# Altium PCB hv_controller.PcbDoc (part 2 of 3) (continued)
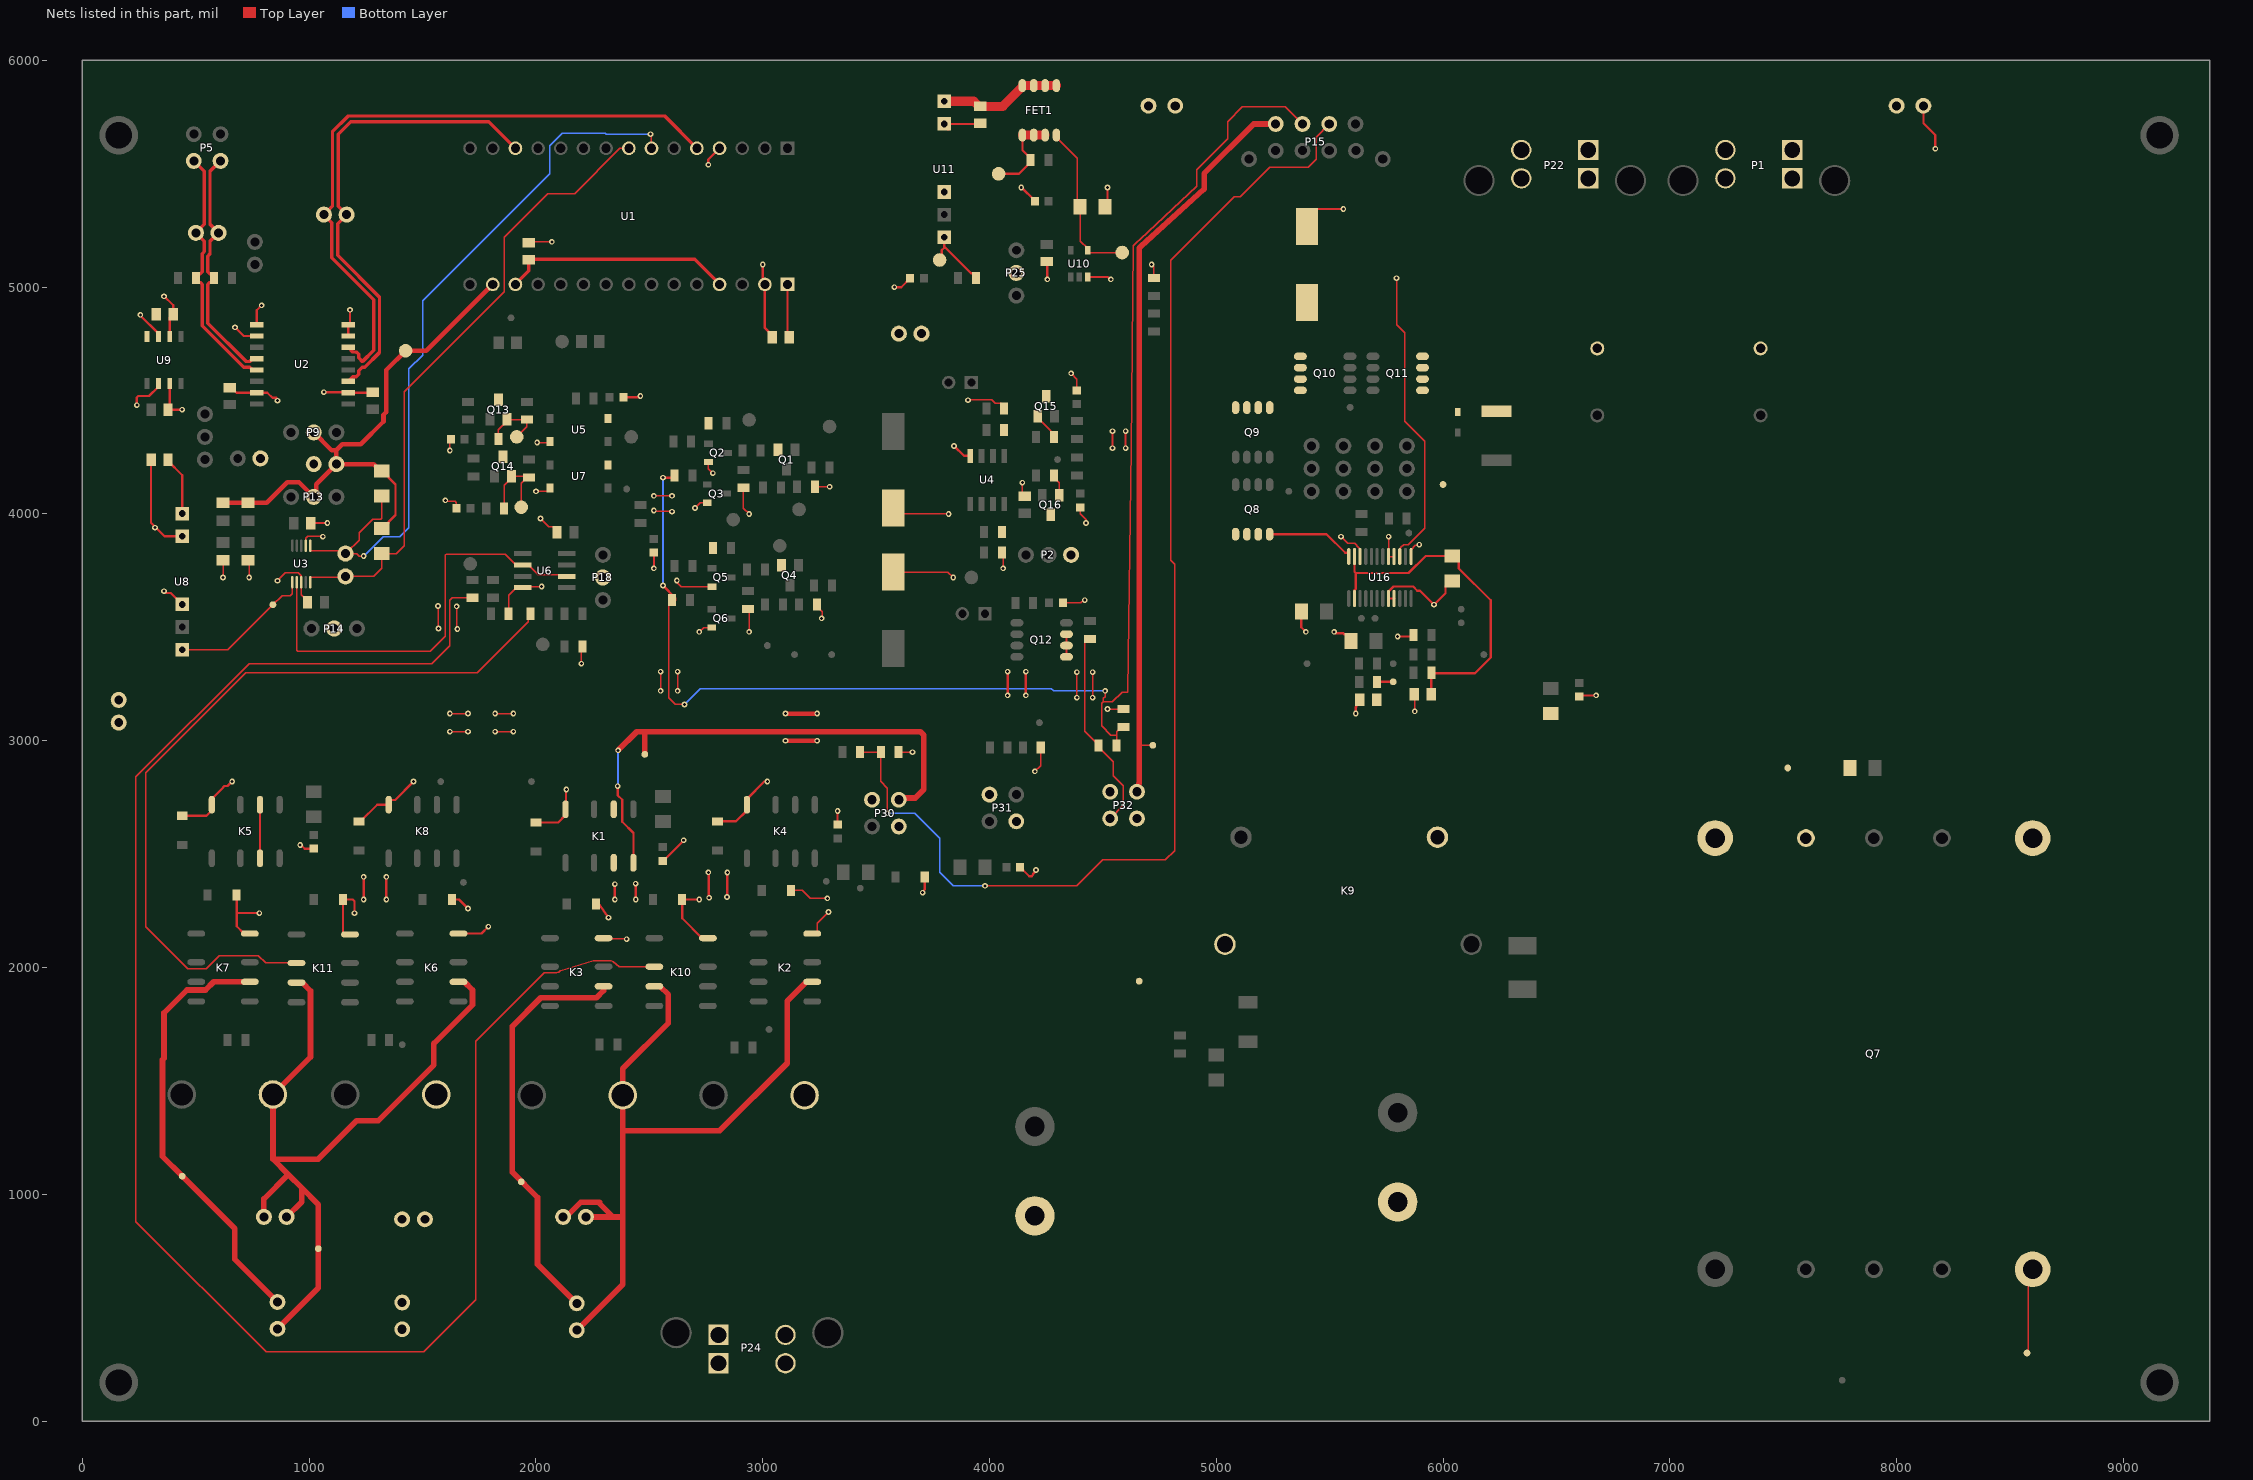
[diagram p2: the nets of this part, all layers, seen from the top]
## Part data (continued)
U16: library part CMP-008-000010-2, "Power Supply Support Circuit, Adjustable, 3 Channel, CMOS, PDSO24"

## Via types
v1: diameter 25, hole 13, Top Layer to Bottom Layer, 173 vias

## Nets (pads, with @x,y where several pads share a name; then routed paths per layer and width w, separated by ;. In a path a pad name is that pad's centre, name@x,y a point inside that pad or via, vN(x,y) a via of type N, cw(c..) or ccw(c..) an arc to the next point about the centre after c; other vN are vias at no path point)
12V_DCDC: C21.1 P4.1 Q7.9 Q7.10 Q8.5 Q8.6 Q8.7 Q8.8 R91.2 R94.1 R97.1 TP50.1 TP55.1 U16.24 | length 478
  Top Layer w10: Q8.8@5235,3910.75 5485.96,3910.75 5568.16,3828.55 5582.45,3828.55 5584.19,3826.81 U16.24@5584.19,3812.52 ; R97.1@5709.09,3260 TP55.1@5780,3260
  Top Layer w25: R97.1@5709.09,3251.14 R97.1@5709.09,3260
12V_RAW: C16.1 C19.1 C23.1 FET1.1 FET1.2 FET1.3 K1.3 K1.6 K5.3 K5.6 P2.3 P3.2 P22.B1 P22.B2 P25.2 P30.2 P31.2 P32.2 Q1.2 Q4.2 Q9.5 Q9.6 Q9.7 Q9.8 Q10.5 Q10.6 Q10.7 Q10.8 Q12.1 Q12.2 Q12.3 Q15.3 Q16.3 R3.1 R25.1 R35.2 R47.2 R55.2 TP25.1 U5.4 U7.4 U8.1 U9.8 U16.15 | length 2334.5
  Top Layer w6: v1(5795,5040) 5795,4835 5830,4800 5830,4410 5920,4320 5920,3937.59 5847.14,3864.73 5825.8,3864.73 5814.3,3853.24 5814.3,3850.25 5809.19,3845.14 U16.15@5809.19,3812.52
  Top Layer w10: C16.1@377.4,4240 377.4,4233.11 440,4170.51 U8.1@440,4001.5 ; K5.3@782.99,2481.89 K5.6@782.99,2718.11 ; TP25.1@4040,5500 4129.49,5500 4180.63,5551.14 R47.2@4180.63,5560 4180.63,5568.86 4145,5604.49 FET1.1@4145,5670.75 ; Q12.1@4339.37,3369.88 Q12.2@4339.37,3419.88 Q12.3@4339.37,3469.88
  Top Layer w40: FET1.1@4145,5670.75 FET1.2@4195,5670.75 FET1.3@4245,5670.75
12V_SUPPL: C20.1 D9.2 P1.A1 P1.A2 Q11.5 Q11.6 Q11.7 Q11.8 R34.2 R100.1 R102.2 TP60.1 U16.2 U16.23 | length 1553.1
  Top Layer w10: U16.2@5609.19,3627.48 5609.19,3664.67 5615.05,3670.53 5615.05,3739.9 ; U16.23@5609.19,3812.52 5609.19,3745.75 5615.05,3739.9 ; C20.1@5947.4,3205 5947.4,3297.13 5946.5,3298.03 6140.46,3298.03 6210,3367.57 6210,3619.09 6069.45,3759.64 6069.45,3791.57 6045.91,3815.12 R102.2@6040,3815.12 5923.26,3815.12 5848.04,3739.9 5615.05,3739.9
78_MC: Q13.2 R18.1 R24.2 TP8.1 | length 293.2
  Top Layer w6: R24.2@1834.37,4330.37 1834.37,4370.79 1872.4,4408.82 Q13.2@1872.4,4416.69 1873.46,4415.63 R18.1@1960,4415.63 1960,4385 TP8.1@1915,4340 ; R24.2@1844,4340 R24.2@1844,4348.86
78_MPPT: Q14.2 R29.1 R31.2 TP14.1 | length 392.9
  Top Layer w6: R31.2@1864.37,4030 R31.2@1859.37,4025 1859.37,4125.79 1892.4,4158.82 Q14.2@1892.4,4166.69 1963.94,4166.69 R29.1@1970,4160.63 1961.14,4160.63 1935,4134.49 TP14.1@1935,4030
BATTERY_REF: U3.7 U6.2 U6.6 | length 1920.8
  Top Layer w6: U3.7@945.31,3699.29 945.31,3398.2 948.83,3394.68 1534.68,3394.68 1600,3460 1600,3819.49 1603.51,3823 1865,3823 1913,3775 U6.2@1941,3775 1969,3775 2011,3733 2127,3733 U6.6@2135,3725
BOTH_PRC_DONE: FET1.4 R65.2 TP24.1 U10.4 | length 711
  Top Layer w6: FET1.4@4295.75,5660 4387,5568.75 4387,5367.88 R65.2@4399.88,5355 4399.88,5203.45 4432.4,5170.93 U10.4@4432.4,5163.06 4432.4,5161.81 4441.21,5153 TP24.1@4585,5153
CAN_N: "LV CAN.1" P5.4 R1.2 U2.12 | length 1094.2
  Top Layer w15: P5.4@609,5557 562.5,5510.5 562.5,5277.5 600,5240 562.5,5202.5 562.5,5146.99 552.81,5137.3 552.81,5067.86 561.6,5059.07 570.41,5059.07 580.63,5048.86 R1.2@580.63,5040 580.63,5031.14 570.41,5020.93 561.6,5020.93 552.81,5012.14 552.81,4841.08 721.4,4672.5 738.21,4672.5 750.71,4685 U2.12@768.43,4685
CAN_P: "LV CAN.2" P5.3 R4.2 U2.13 | length 1135.7
  Top Layer w15: P5.3@491,5557 537.5,5510.5 537.5,5277.5 500,5240 537.5,5202.5 537.5,5157.34 527.81,5147.66 527.81,5067.86 519.03,5059.07 510.22,5059.07 500,5048.86 R4.2@500,5040 500,5031.14 510.22,5020.93 519.03,5020.93 527.81,5012.14 527.81,4830.73 711.04,4647.5 738.21,4647.5 750.71,4635 U2.13@768.43,4635
COMM_N: "HV CAN.1" U1.3.5 U2.6 | length 2933.7
  Top Layer w15: U2.6@1171.57,4735 1192.26,4714.31 1208.35,4714.31 1218.6,4704.06 1218.6,4687.97 1234.07,4672.5 1235,4672.5 1285,4722.5 1285,4945 1100,5130 1100,5285 1065,5320 1102.5,5357.5 1102.5,5685.36 1172.14,5755 2566.97,5755 U1.3.5@2709.37,5612.6
COMM_P: "HV CAN.2" U1.3.13 U2.3 | length 2125.4
  Top Layer w15: U2.3@1171.57,4585 1192.26,4605.69 1208.35,4605.69 1218.6,4615.94 1218.6,4632.03 1234.07,4647.5 1245.36,4647.5 1310,4712.14 1310,4955.36 1125,5140.36 1125,5280 1165,5320 1127.5,5357.5 1127.5,5675 1182.5,5730 1791.97,5730 U1.3.13@1909.37,5612.6
DCDC_IN: C14.1 FET1.5 FET1.6 FET1.7 FET1.8 U11.1 | length 545.5
  Top Layer w40: U11.1@3800,5820 3930.51,5820 3953.11,5797.4 C14.1@3960,5797.4 4058.43,5797.4 4145,5883.98 FET1.8@4145,5889.25 FET1.7@4195,5889.25 FET1.6@4245,5889.25 FET1.5@4295,5889.25
G_MC: Q15.1 R16.1 | length 121.4
  Top Layer w6: Q15.1@4212.6,4431.69 4212.6,4423.82 4269.65,4366.76 4269.65,4354.72 R16.1@4284.37,4340
G_MPPT: Q16.1 R8.1 | length 96.2
  Top Layer w6: R8.1@4284.37,4170 4284.37,4161.14 4307.4,4138.11 Q16.1@4307.4,4083.31
HV-POS3.3V: 3V3.2 P9.2 P13.2 R9.2 R10.2 R11.2 R12.2 TP1.1 U1.4.14 | length 2487.1
  Top Layer w10: R11.2@1320,3935.12 1325.91,3935.12 1349.45,3958.66 1349.45,3964.57 1380,3995.12 1380,4130.12 1349.45,4160.67 1349.45,4166.57 1325.91,4190.12 R12.2@1320,4190.12
  Top Layer w20: R10.2@620,4049.37 R9.2@730,4049.37 812.21,4049.37 902.84,4140 955,4140 P13.2@1020,4075 1030.69,4085.69 1030.69,4130.69 3V3.2@1120,4220 ; P9.2@1020,4360 1098.39,4281.61 1120,4281.61 ; R12.2@1320,4190.12 1314.09,4190.12 1284.21,4220 3V3.2@1120,4220 ; U1.4.14@1809.37,5012.6 1516.77,4720 TP1.1@1425,4720 1340,4635 1340,4449.62 1327.56,4437.18 1327.56,4407.56 1227.07,4307.07 1145.46,4307.07 1120,4281.61 ; 3V3.2@1120,4220 1120,4281.61
HV-POS5V: C2.1 U1.4.4 U1.4.13 | length 1020
  Top Layer w15: U1.4.13@1909.37,5012.6 1968.39,5071.61 C2.1@1968.39,5121.61 ; C2.1@1968.39,5122.6 2699.37,5122.6 U1.4.4@2809.37,5012.6
HV_12V: "HV 12V.1" "HV 12V.2" C25.1 P14.2 P18.2 Q13.3 Q14.3 R66.2 TP26.1 U1.4.1 U11.7 | length 546.5
  Top Layer w6: C25.1@3109.37,4788.03 C25.1@3117.4,4780
  Top Layer w10: C25.1@3109.37,4788.03 U1.4.1@3109.37,5012.6 ; TP26.1@3780,5120 3789.57,5129.57 3789.57,5163.83 3800,5174.26 3800,5179.37 ; U11.7@3800,5220 3800,5179.37 ; R66.2@3939.37,5040 3939.37,5048.86 3926.65,5061.57 3917.8,5061.57 3800,5179.37
HV_GND: 3V3.1 "HV GND.1" "HV GND.2" C2.2 C3.2 C5.2 C6.2 C7.1 C17.2 C18.2 C25.2 HV_GND.1 HV_GND.2 LED2.2 LED4.2 LED8.2 P21.1 P21.2 P24.A1 P24.A2 Q7.5 R13.1 R14.1 R22.1 R33.1 R70.1 R78.1 TP13.1 U1.3.4 U1.4.2 U2.2 U2.7 U2.8 U3.2 U3.8 U5.2 U6.4 U7.2 U8.5 U11.5 | length 2910
  Top Layer w6: v1(620,3720) R14.1@620,3795.63 ; R13.1@730,3795.63 735,3790.63 v1(735,3720) ; v1(860,3705.5) 894.35,3739.85 952.74,3739.85 964.26,3728.32 964.26,3700.03 U3.8@965,3699.29 965,3644.49 992.6,3616.89 C6.2@992.6,3610 ; U3.2@984.69,3860.71 985.42,3861.44 985.42,3892.32 994.37,3901.27 1058.73,3901.27 v1(1060,3900) ; v1(1568.09,3594.54) 1569.05,3593.59 1569.05,3495.95 v1(1570,3495) ; v1(1600,4060) 1603.64,4056.36 1643.64,4056.36 1649.49,4050.51 LED4.2@1649.49,4025 ; v1(1620,4280) 1620,4325.51 LED2.2@1624.49,4330 ; v1@1650.43,3495.59 v1(1650.43,3592.96) ; R22.1@1879.37,3560 1879.37,3641.37 1913,3675 U6.4@1941,3675 1946,3680 v1(2025,3680) ; C2.2@1968.39,5196.42 1971.97,5200 v1(2070,5200) ; v1(2000,4100) 2050.61,4100 2062.05,4111.43 U7.2@2062.05,4115.37 ; v1(2005,4315) 2056.68,4315 U5.2@2062.05,4320.37 ; v1(2020,3980) 2055.44,3944.56 2074.93,3944.56 2092.6,3926.89 C7.1@2092.6,3920 ; v1(2200,3340) 2200,3410.63 R33.1@2204.37,3415 ; TP13.1@8575,300 8579.59,304.59 8579.59,648.8 Q7.5@8600,669.21
  Top Layer w10: v1(360,3660) 368.42,3651.58 389.92,3651.58 U8.5@440,3601.5 ; C5.2@1007.4,3960 v1(1080,3960) ; v1(1064.48,4537.5) 1065.73,4536.25 1152.61,4536.25 1153.86,4535 1277.6,4535 C3.2@1280,4537.4 ; U2.7@1171.57,4785 1171.57,4833.39 1180,4841.81 v1(1180,4900) ; v1(2760,5540) 2760,5563.23 U1.3.4@2809.37,5612.6 ; v1(3000,5100) 3000,5021.97 U1.4.2@3009.37,5012.6 3009.37,4820.12 3042.6,4786.89 C25.2@3042.6,4780 ; v1(3580,5000) 3610.47,5000 LED8.2@3649.49,5039.02
  Top Layer w25: LED8.2@3649.49,5039.02 LED8.2@3649.49,5040
  other v1: 1653.28,3492.74
HV_IN_DCDC: K9.4 P24.B1 P24.B2 TP49.1
HV_IN_MC: K3.6 P20.2 TP32.1 | length 1827.2
  Top Layer w25: P20.2@2180,518 2006.37,691.63 2006.37,986.37 1895.72,1097.03 1895.72,1741.12 2021.27,1866.67 2266.67,1866.67 2298.11,1898.11 K3.6@2298.11,1917.01
HV_IN_MPPT: K7.6 P23.2 TP42.1 | length 1922.8
  Top Layer w25: K7.6@738.11,1937.01 578.79,1937.01 542.51,1900.73 460.73,1900.73 360,1800 360,1600 352.93,1592.93 352.93,1167.07 TP42.1@440,1080 672,848 672,713 P23.2@860,525
HV_OUT_MC: K2.6 K10.3 OUT_MC.1 OUT_MC.2 P20.1 R75.2 | length 3438.2
  Top Layer w25: OUT_MC.1@2120,900 2132.41,900 2197.77,965.36 2280,965.36 2280,960 2340,900 ; P20.1@2180,400 2382.78,602.78 2382.78,900 ; OUT_MC.2@2223.54,896.46 OUT_MC.2@2220,900 2340,900 ; K10.3@2521.89,1917.01 2547.48,1917.01 2583.76,1880.73 2583.76,1755 2382.78,1554.03 R75.2@2382.78,1436.28 2382.78,1280 ; K2.6@3218.11,1937.01 3192.52,1937.01 3108.15,1852.64 3108.15,1578.15 2810,1280 2382.78,1280 ; 2340,900 2382.78,900 ; 2382.78,900 2382.78,1280
HV_OUT_MPPT: K6.6 K11.3 OUT_MPPT.1 OUT_MPPT.2 P23.1 R83.2 TP15.1 | length 3540.5
  Top Layer w25: OUT_MPPT.2@800,900 800,980 907.46,1087.46 ; P23.1@860,406.89 1040,586.89 TP15.1@1040,760 1040,954.93 967.46,1027.46 ; OUT_MPPT.1@900,900 967.46,967.46 967.46,1027.46 ; K11.3@943.78,1933.39 969.37,1933.39 1005.65,1897.11 1005.65,1605.65 R83.2@840,1440 840,1154.93 ; K6.6@1658.11,1937.01 1683.7,1937.01 1719.98,1900.73 1719.98,1835.37 1549.87,1665.26 1549.87,1569.87 1305.04,1325.04 1209.65,1325.04 1039.54,1154.93 840,1154.93 ; 840,1154.93 907.46,1087.46 ; 907.46,1087.46 967.46,1027.46
HV_POT_12V: TP2.1 U3.6 U8.7 | length 638.4
  Top Layer w6: U8.7@440,3401.5 641.5,3401.5 TP2.1@840,3600 880,3640 916.49,3640 925.63,3649.14 U3.6@925.63,3699.29
HV_SENSE_MC: K10.2 R17.2 | length 7793.1
  Top Layer w6: R17.2@1720,3630.63 1630.63,3630.63 1620,3620 1620,3420 1540,3340 734.54,3340 235,2840.46 235,880 810,305 1505,305 1734.5,534.5 1734.5,1674.5 2036.84,1976.84 2087.48,1976.84 ccw(c2087.48,2003.62) 2106.89,1985.18 2108.31,1985.63 cw(c2110.12,1979.91) 2108.37,1985.65 2252.38,2030.4 2323.7,2030.4 cw(c2323.7,2003.62) 2340.31,2024.63 2366.89,2003.62 K10.2@2521.89,2003.62
HV_SENSE_MPPT: K11.2 R28.2 | length 3458
  Top Layer w6: K11.2@943.78,2020 808.02,2020 775.62,2052.4 603.98,2052.4 546.42,1994.84 464.38,1994.84 280,2179.22 280,2860 720,3300 1740,3300 1965.06,3525.06 1965.06,3549.43 R28.2@1975.63,3560
I2C_SCL: I2C.1 R11.1 U1.3.8 U3.10 | length 2787.1
  Top Layer w6: U3.10@1004.37,3699.29 1004.37,3720.19 1006.15,3721.96 1156.96,3721.96 I2C.1@1160,3725 1285,3725 1320,3760 R11.1@1320,3824.88 1384.88,3824.88 1420,3860 1420,4540 1860,4980 1860,5220 2052.35,5412.35 2170.1,5412.35 2370.25,5612.5 2409.27,5612.5 U1.3.8@2409.37,5612.6 U1.3.8@2409.69,5612.28
I2C_SDA: I2C.2 R12.1 U1.3.7 U3.1 | length 3333.5
  Top Layer w6: U3.1@1004.37,3860.71 1004.37,3839.11 1006.15,3837.34 1147.66,3837.34 I2C.2@1160,3825 1209.73,3825 1220.23,3814.5 v1(1240,3814.5) ; I2C.2@1166.21,3826.21 1166.21,3831.21 1220,3885 1220,3916.49 1280.17,3976.66 1316.49,3976.66 1320,3980.18 R12.1@1320,4079.88 ; v1(2505,5675) 2507.19,5672.81 2507.19,5614.78 U1.3.7@2509.37,5612.6
  Bottom Layer w6: v1(1240,3814.5) 1325.5,3900 1400,3900 1440,3940 1440,4640 1500,4700 1500,4940 2060,5500 2060,5624.21 2115.79,5680 2305.33,5680 2310.33,5675 v1(2505,5675)
LO_CONT_DR: P15.1 P32.4 TP48.1 | length 3323.4
  Top Layer w6: 4660,2980 TP48.1@4720,2980
  Top Layer w25: P32.4@4650,2775 4658.61,2783.61 4658.61,2810.75 4660,2812.14 4660,2980 4660,5172.78 4667.32,5180.1 ; 4667.33,5180.11 4667.75,5180.53 4668.2,5180.94 4946.25,5433.11 4946.25,5501.25 5165,5720 P15.1@5262,5720
LO_CONT_MPS: P32.1 R67.2 R71.1 | length 900
  Top Layer w6: R67.2@4442.93,3448.45 4435.14,3448.45 4420.42,3433.73 4420.42,3425.94 4420,3425.51 4420,3041.26 R71.1@4481.26,2980 4481.26,2971.14 4545,2907.4 4545,2846.2 4590,2801.2 4590,2715 P32.1@4532,2657
LO_CONT_TELEM: P15.2 R5.1 R44.2 R63.2 R71.2 | length 6566.8
  Top Layer w6: R63.2@2600.63,3620 2585.91,3605.28 2585.91,3393.67 2585,3392.76 2585,3190 2615,3160 v1(2655,3160) ; v1(4510,3220) 4510,3195 4502.25,3187.25 4502.25,3172.25 ; R71.2@4560,2980 4560,3025 ; R5.1@4587.22,3058.48 4578.36,3058.48 4560,3040.12 4560,3025 ; P15.2@5380,5720 5305,5795 5115,5795 5050,5730 5050,5655 4913.16,5518.16 4913.16,5446.01 4664.14,5211.69 4650.16,5199 4649.29,5198.13 4634.5,5183.34 4625.5,4289.74 cw(c4600,4290) 4625.5,4289.64 4610.33,3218.51 4608.62,3216.81 4606.81,3215 4585,3215 4542.25,3172.25 4502.25,3172.25 ; 4502.25,3172.25 4494.5,3164.5 4494.5,3065.5 4535,3025 4560,3025
  Top Layer w10: v1(2560,3684.49) 2615.63,3628.86 R63.2@2615.63,3620 ; v1(2560,4160) 2600.63,4160 R44.2@2610.63,4170
  Bottom Layer w6: v1(2655,3160) 2725,3230 4272.43,3230 4282.43,3220 v1(4510,3220)
  Bottom Layer w10: v1(2560,3684.49) v1(2560,4160)
LV_GND: 5V0.1 C4.2 C9.2 C10.2 C11.2 C12.2 C13.1 C14.2 C15.2 C16.2 C19.2 C20.2 C21.2 C22.2 C23.2 D1.1 D2.1 D3.1 D5.1 D6.1 D7.1 D8.1 D10.1 D11.1 D12.1 D14.1 K1.8 K2.8 K3.8 K4.8 K5.8 K6.8 K7.8 K8.8 K9.1 K10.8 K11.8 LED1.2 LED3.2 LED5.2 LED6.2 LED9.2 LED10.2 LED11.2 LED12.2 LED14.2 LED15.2 LED16.2 P1.B1 P1.B2 P3.1 P4.2 P22.A1 P22.A2 P30.3 P31.3 P32.3 Q2.2 Q3.2 Q5.2 Q6.2 Q7.6 R5.2 R6.2 R15.2 R26.2 R38.1 R43.1 R46.2 R48.1 R58.1 R62.1 R65.1 R99.1 R102.1 R103.1 R104.1 U2.9 U2.10 U2.15 U4.4 U8.2 U9.2 U9.3 U9.6 U9.7 U10.3 U11.2 U16.8 U16.9 U16.13 U16.16 U16.17 U16.22 | length 11518.2
  Top Layer w6: v1(1620,3040) v1(1700,3040) ; v1(1620,3120) v1(1700,3120) ; v1(1820,3040) v1(1900,3040) ; v1(1820,3120) v1(1900,3120) ; K3.8@2298.11,2129.61 2300.41,2127.3 2397.7,2127.3 v1(2400,2125) ; v1(2520,4015) 2522.5,4012.5 2597.5,4012.5 v1(2600,4010) ; v1(2520,4080) v1(2600,4080) ; v1(2550,3220) v1(2550,3305) ; v1@2620,3700 2640.55,3679.45 Q5.2@2775.35,3679.45 ; v1(2625,3220) v1(2625,3305) ; v1(2701.32,4026.68) 2724.09,4049.45 Q3.2@2755.35,4049.45 ; v1(2720,3480) 2738.9,3498.9 Q6.2@2775,3498.9 ; Q2.2@2760,4228.9 2760,4200 v1(2780,4180) ; R38.1@2914.37,4115 R38.1@2915,4115.63 2915,4025 v1(2940,4000) ; R58.1@2935,3580.63 2940,3575.63 v1(2940,3480) ; D1.1@3124.57,2340 3174.54,2340 3209.54,2305 v1(3285,2305) ; K2.8@3218.11,2149.61 3230.74,2149.61 3240.7,2159.57 3240.7,2195.7 v1(3290,2245) ; R43.1@3229.37,4120 v1(3295,4120) ; R62.1@3239.37,3600 3239.37,3591.14 3262.57,3567.94 v1@3262.57,3547.94 ; C10.2@3575,3743.31 3816.69,3743.31 v1(3840,3720) ; C9.2@3575,4026.69 3601.69,4000 v1(3820,4000) ; R6.2@3599.37,2941.14 R6.2@3599.37,2950 v1(3660,2950) ; v1(3905.01,4502.12) 3907.46,4504.57 4008.73,4504.57 4024.73,4488.57 4049.65,4488.57 4064.37,4473.86 R15.2@4064.37,4465 ; R26.2@4054.37,3830 4060,3824.37 4060,3764.06 v1@4060.83,3764.9 ; v1(4144.45,4137.99) 4144.45,4087.95 C15.2@4155,4077.4 ; v1(4200,2865) 4225.84,2890.84 R46.2@4225.84,2970 ; LED9.2@4323.45,3607.82 4402.67,3607.82 4414.86,3620 v1(4420,3620) ; v1(4360,4620) 4385,4595 LED5.2@4385,4545.51 ; v1(4385,3190) v1(4385,3302.5) ; LED6.2@4400.98,4029.49 LED6.2@4400,4029.49 4400,4000.14 4425.5,3974.64 v1(4425.5,3960) ; v1(4455,3190) v1(4455,3302.5) ; v1(4520,3140) R5.2@4590,3140 ; v1(4715,5100) 4725,5090 R48.1@4725,5040 ; v1(5550,3900) 5580.09,3869.91 5610.44,3869.91 5629.08,3851.27 5629.08,3850.25 5634.19,3845.14 U16.22@5634.19,3812.52 ; v1(5760,3900) 5759.6,3899.6 5759.6,3812.92 U16.17@5759.19,3812.52 U16.16@5784.19,3812.52 ; U16.13@5859.19,3812.52 5859.19,3843.03 5877.53,3861.36 5891.36,3861.36 v1(5895,3865) ; C20.2@5872.6,3205 5875,3202.6 v1(5875,3130)
  Top Layer w10: v1(240,4480) 240,4514.14 245.86,4520 293.4,4520 335,4561.6 U9.2@335,4575.38 ; v1(255.4,4878.17) 255.4,4875.45 335,4795.86 U9.7@335,4782.08 ; C16.2@302.6,4240 302.6,3960.83 361.94,3901.5 U8.2@440,3901.5 ; v1(360,4960) 400,4920 C23.2@400,4880 385,4865 U9.6@385,4782.08 ; C22.2@377.4,4460 v1(440,4460) ; C22.2@385,4460.71 U9.3@385,4575.38 ; D8.1@440,2669.13 547.01,2669.13 570.39,2692.52 K5.8@570.39,2718.11 570.39,2743.7 620,2793.31 620,2794.14 625.86,2800 640,2800 v1(660,2820) ; C4.2@643.11,4557.4 C4.2@650,4557.4 656.89,4557.4 679.29,4535 U2.15@768.43,4535 815.23,4535 837.73,4512.5 854.14,4512.5 854.14,4509.92 860,4504.06 v1(860,4500) ; v1(672.93,4822.93) 710.85,4785 U2.10@768.43,4785 ; D11.1@680,2320 680,2240 ; K7.8@738.11,2149.61 712.52,2149.61 680,2182.13 680,2240 ; U2.9@768.43,4835 768.43,4898.43 v1(790,4920) ; v1(780,2240) 680,2240 ; v1(960,2540) 964.06,2540 980.09,2523.97 LED12.2@1020,2523.97 ; K11.8@1180,2145.98 1159.16,2145.98 1149.13,2156.01 D7.1@1149.13,2300 1192.51,2300 1200,2292.51 v1(1200,2240) ; D12.1@1220,2644.57 1226.1,2644.57 1299.65,2718.11 K8.8@1350.39,2718.11 1350.39,2731.06 1358.5,2739.17 1379.17,2739.17 v1(1460,2820) ; v1(1240,2300) v1(1240,2400) ; v1(1340,2300) v1(1340,2400) ; D14.1@1629.13,2300 1660,2300 v1(1700,2260) ; K6.8@1658.11,2149.61 1759.61,2149.61 v1(1790,2180) ; D2.1@2000,2640 2097.87,2640 2130.39,2672.52 K1.8@2130.39,2698.11 2132.07,2699.79 2132.07,2783.46 v1(2133.75,2785.14) ; D5.1@2264.57,2280 2275.78,2280 2278.71,2277.07 2279.28,2276.5 v1(2320,2220) ; v1(2347.59,2300.04) v1(2347.59,2367.8) ; LED1.2@2385.51,4515 2450.94,4515 2455.94,4520 v1(2460,4520) ; v1(2439.73,2370.09) 2439.86,2369.95 2439.86,2300.14 v1(2440,2300) ; v1(2520,3760) LED11.2@2520,3829.49 ; LED10.2@2560,2469.49 2560.98,2469.49 v1@2652.12,2560.62 ; v1(2720,2300) D10.1@2644.57,2300 2644.57,2217.56 2732.52,2129.61 K10.8@2758.11,2129.61 ; v1(2760,2420) 2761.84,2418.16 2761.84,2309.47 v1(2763.68,2307.63) ; D6.1@2800,2644.57 2882.44,2644.57 2930.39,2692.52 K4.8@2930.39,2718.11 2930.39,2743.7 3006.69,2820 v1(3020,2820) ; v1(2842.29,2310.9) 2843.01,2311.63 2843.01,2418.47 v1(2843.74,2419.19) ; R62.1@3239.37,3600 R62.1@3240,3600.63 ; LED14.2@3330,2630.51 v1(3330,2690) ; v1(3705,2330) 3705,2334.06 3714.57,2343.63 D3.1@3714.57,2400 D3.1@3715,2399.57 ; U11.2@3800,5720 3950.51,5720 C14.2@3953.11,5722.6 ; v1@3840,4300 v1(3843.5,4300) 3887.2,4256.3 U4.4@3915,4256.3 ; v1(4080,3200) v1(4080,3305) ; LED15.2@4135.38,2442.35 4135.38,2441.36 4148.09,2428.65 4149.08,2428.65 4174.72,2403 4186.04,2403 4191.9,2408.86 4191.9,2412.84 4205,2425.94 v1(4205,2430) ; v1(4140,5440) 4140.98,5440 4200,5380.98 LED3.2@4200,5380 ; v1(4160,3200) v1(4160,3305) ; C13.1@4252,5113.6 4255,5110.6 v1(4255,5035) ; U10.3@4432.4,5044.94 4521,5044.94 4530.94,5035 v1(4535,5035) ; R65.1@4510.12,5355 4520,5364.88 v1(4520,5440) ; v1(4542.5,4290) v1(4542.5,4365) ; v1(4600,4290) v1(4600,4365) ; P3.1@4700.47,5799.53 P3.1@4700.94,5800 ; R103.1@5374.88,3570 5374.88,3500.12 v1(5395,3480) ; C19.2@5400,5268.31 5400,5285.79 5444.21,5330 5444.21,5345 v1(5560,5345) ; v1(5520,3480) 5526.02,3473.98 5560,3473.98 5564.53,3469.45 5570.43,3469.45 5593.98,3445.91 R99.1@5593.98,3440 ; v1(5615,3120) 5615,3147.5 5616.93,3149.43 5616.93,3164.33 C21.2@5632.6,3180 ; U16.9@5784.19,3627.48 U16.8@5759.19,3627.48 5759.19,3657.99 5781.08,3679.88 5868.26,3679.88 5886.59,3661.56 5898.44,3661.56 v1(5960,3600) 6010.55,3650.55 6010.55,3681.34 6034.09,3704.88 R102.1@6040,3704.88 ; v1(5800,3460) 5862.94,3460 R104.1@5869.72,3466.78 ; LED16.2@6600,3194.49 6605.51,3200 v1(6675,3200) ; P4.2@8118.11,5800 8118.11,5723.41 8170.58,5670.94 v1(8170.58,5610.58)
  Top Layer w20: v1(3100,3000) v1(3240,3000) ; v1(3100,3120) v1(3240,3120)
  Top Layer w25: U11.2@3800,5720 U11.2@3817.5,5702.5 ; C14.2@3953.11,5722.6 C14.2@3960,5722.6
  other v1: 2651.44,2561.3 3260,3540 2621.32,3706.68 4060,3760 320,3940
MC_CONT_DR: K1.4 P30.4 TP27.1 | length 2382.7
  Top Layer w10: v1(2360,2800) 2360,2760 2380,2740 2380,2642.6 2429.61,2592.99 K1.4@2429.61,2461.89
  Top Layer w25: v1(2362.14,2957.86) 2444.27,3040 2480,3040 ; TP27.1@2480,2940 2480,3040 ; P30.4@3600,2740 3607.42,2747.42 3672.5,2747.42 3710,2784.92 3710,3025.36 3695.36,3040 2480,3040
  Bottom Layer w10: v1(2360,2800) 2362.14,2802.14 v1(2362.14,2957.86)
MC_CONT_TELEM: P15.3 R6.1 R85.2 | length 5538.4
  Top Layer w6: R85.2@3429.37,2950 R6.1@3520.63,2950 3520.63,2820.47 3550,2791.1 v1(3550,2680) ; v1(3980,2360) 4385,2360 4500,2475 4775,2475 4816,2516 4816,3779.16 4800,3795.16 4800,5120 5080,5400 5105,5400 5235,5530 5405,5530 5440,5565 5440,5662 P15.3@5498,5720
  Bottom Layer w6: v1(3550,2680) 3670,2680 3780,2570 3780,2420 3840,2360 v1(3980,2360)